# KiCad board Rogelio Pineda 2;12 AM-AMLDC-2044B.kicad_pcb (continued)
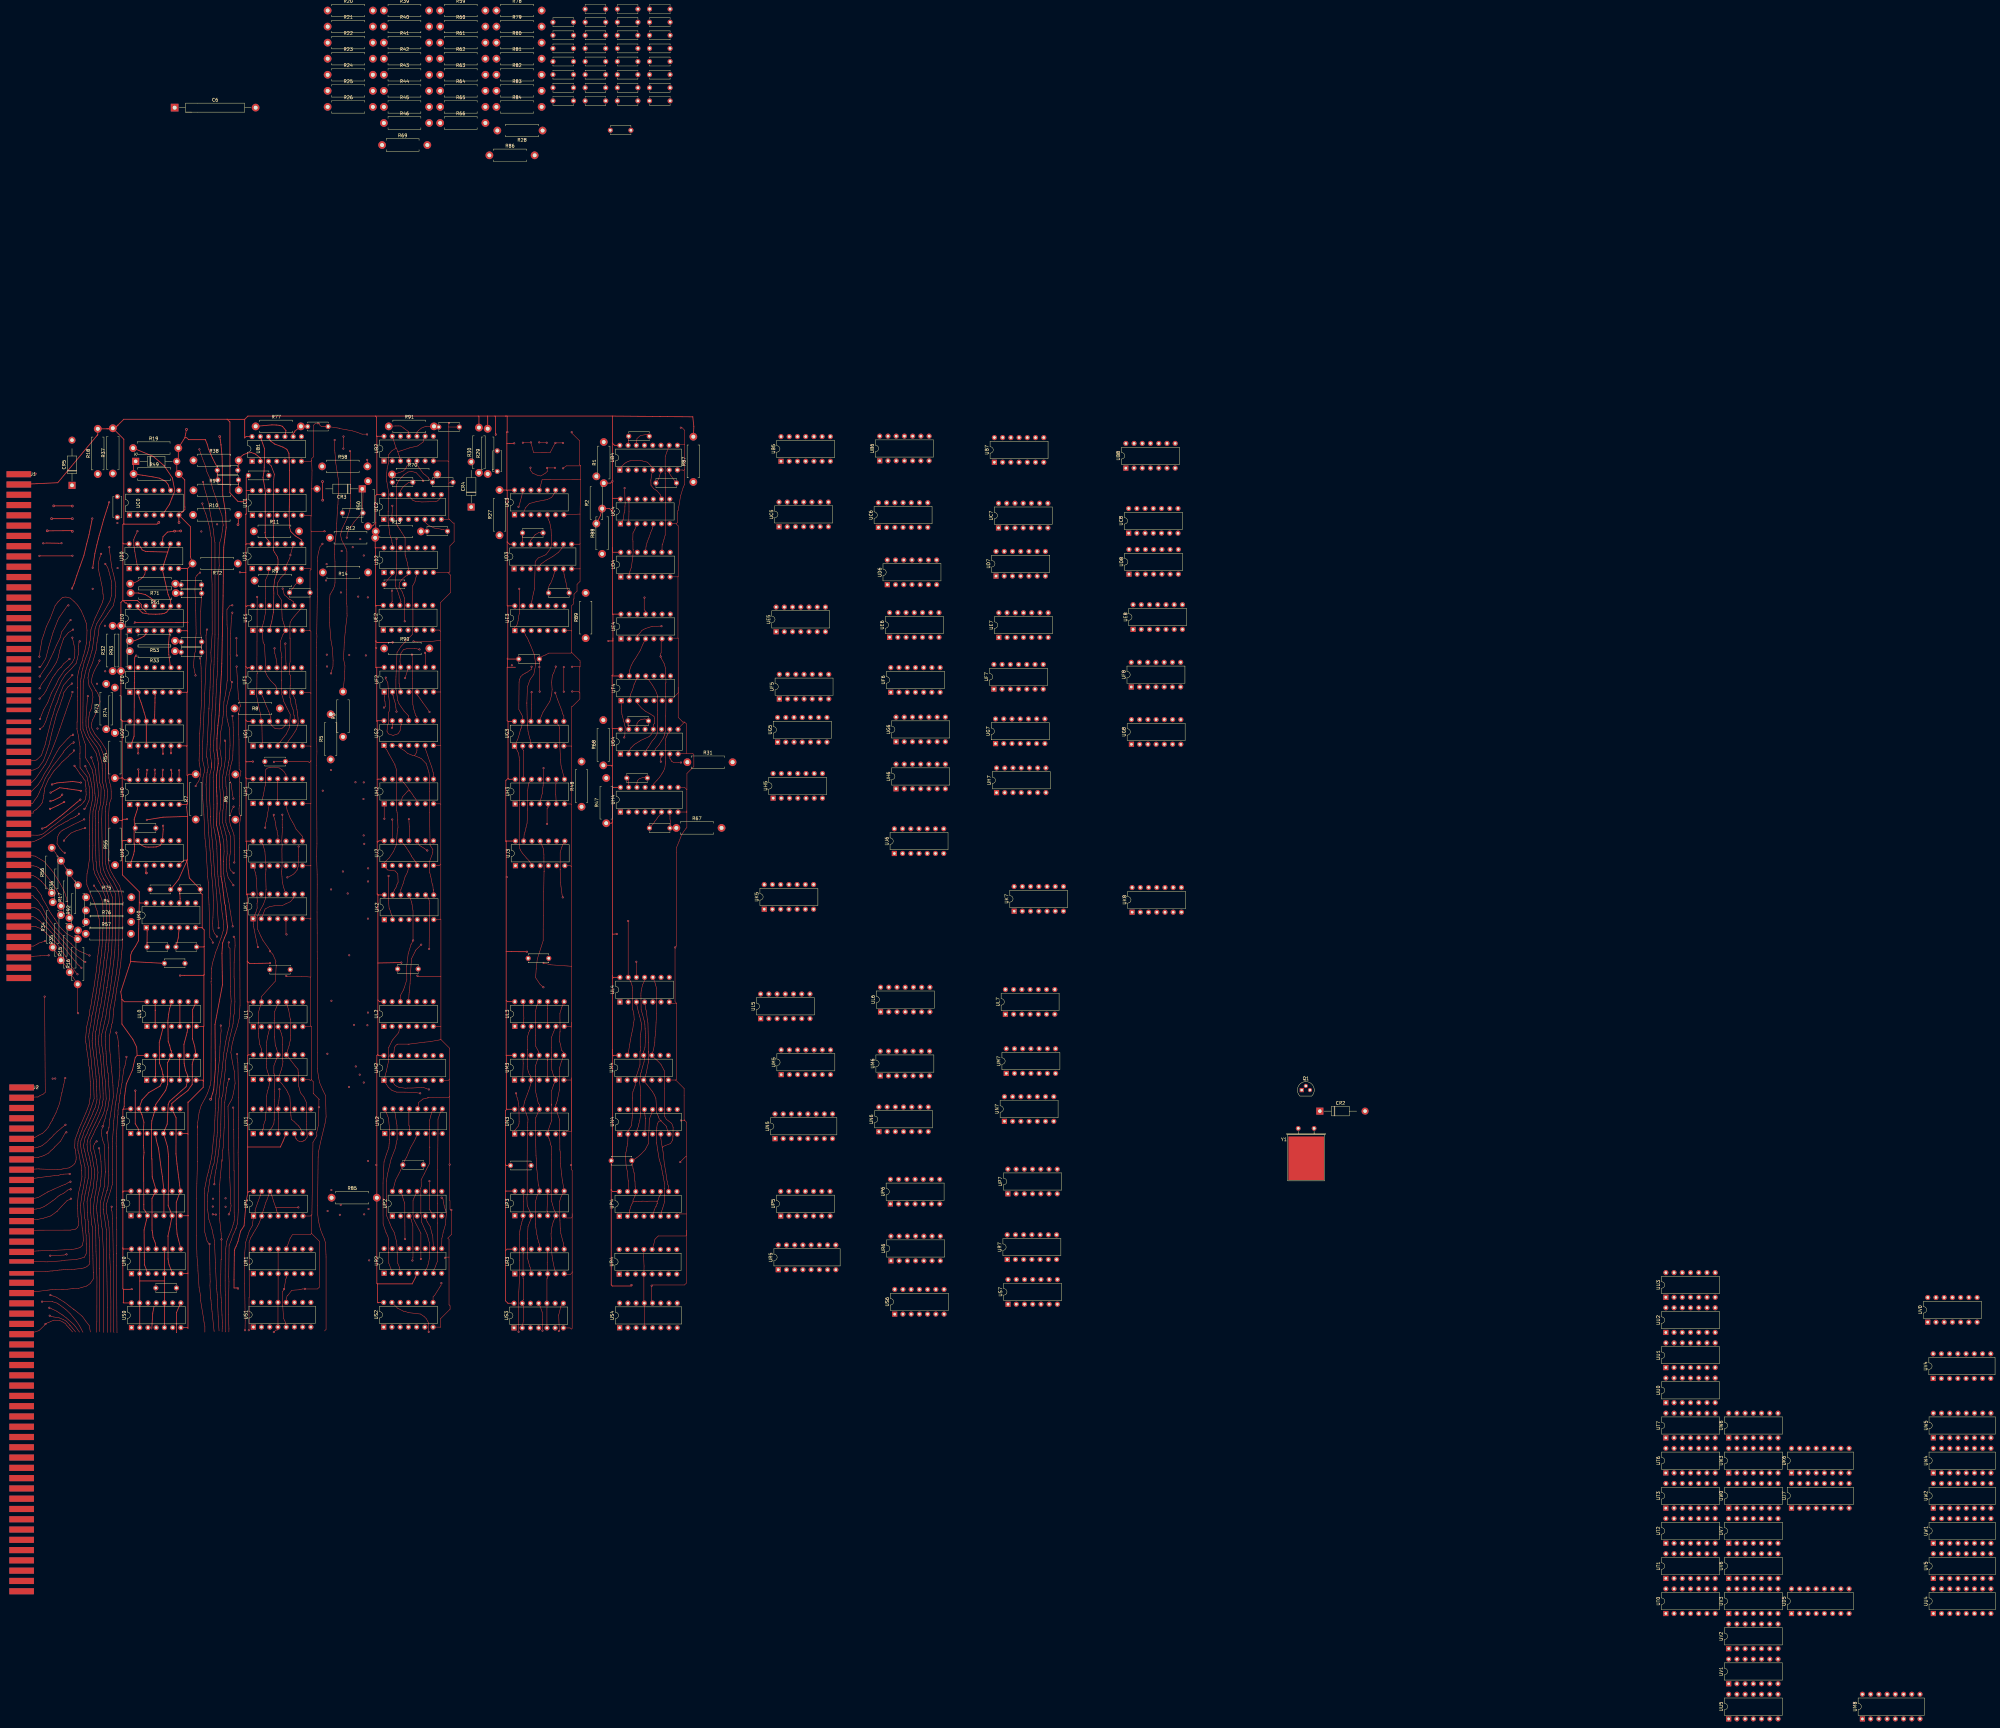
[diagram p0: board, top side]
## Routing (per net, layer and track width the routed paths; a pad name or vN(x,y) marks a point on that pad's centre or on a via; arc(x,y) is an arc through that point) (continued)
  Top w0.25: 127.64,265.18 126.76,265.18 UJ0.7 ; 127.64,265.18 128.42,259.67 C72.2 131.78,255.26 132.39,254.66 132.39,244.27 132.31,244.35 ; 127.64,265.18 127.87,265.41 ; 127.7,300.53 127.52,300.36 127.4,300.48 UG0.7 ; 127.7,300.53 127.7,316.99 ; 127.7,300.53 127.7,291.48 127.87,291.3 ; 132.31,244.35 UK0.7 ; 132.31,244.35 133,243.65 133,238.59 ; 132.82,196.94 132.51,197.25 UM0.7 ; 132.82,196.94 132.82,213.86 ; 132.82,196.94 132.71,196.83 132.71,195.07 128.1,190.47 127.99,190.47 127.99,180.6 ; 127.03,395.64 v2(127.53,398.19) 127.58,398.24 ; 127.03,395.64 R19.2 125,388.81 CR1.2 124.53,385.06 R49.2 126.98,382.61 126.98,374.29 127.03,374.24 127.03,373.44 126.51,372.92 ; 127.03,395.64 127.58,395.64 128.18,395.04 133.28,395.04 133.33,395.09 133.93,393.64 134.33,392.14 135.53,389.39 136.73,387.04 137.03,386.74 C45.1 137.03,382.79 C31.1 ; 127.85,355.23 UD0.7 ; 127.85,355.23 127.85,338.68 ; 127.85,355.23 R72.2 128.73,358.84 128.73,368.2 UC0.7 ; 127.74,282.58 127.87,282.71 127.87,291.3 ; 127.74,282.58 127.58,281.52 127.87,278.69 ; 127.74,282.58 127.55,282.38 UH0.7 ; v2(125.23,369.44) 125.18,369.5 UC0.7 ; 111.33,338.34 111.56,338.57 v1(111.6,338.61) 127.96,338.57 127.85,338.68 ; 127.87,265.41 125.1,259.26 C71.2 ; 127.87,265.41 127.87,278.69 ; 127.99,155.52 127.99,137.67 ; 127.99,155.52 128.13,155.38 UP0.7 ; 127.99,155.52 127.99,180.6 ; 127.99,137.67 127.83,137.51 UR0.7 ; 127.99,137.67 127.99,120.63 127.78,120.84 US0.7 ; UE0.7 127.78,336.04 127.87,335.95 ; 127.87,291.3 128.28,291.71 R7.2 ; 133,238.59 132.8,238.39 130.63,238.39 ; 133,238.59 133,229.82 132.91,229.73 ; 127.7,316.99 127.87,317.16 127.87,335.95 ; 127.7,316.99 127.64,317.04 UF0.7 ; 126.51,372.92 126.13,372.54 ; 126.51,372.92 126.35,372.92 UC0.7 ; 127.99,180.6 127.8,180.78 UN0.7 ; 127.87,335.95 127.87,338.66 127.85,338.68 ; 132.91,229.73 132.79,229.62 125.61,229.62 v1(125.54,229.55) 125.48,229.62 125.4,229.62 125.38,229.63 ; 132.91,229.73 132.91,213.95 132.82,213.86 ; 127.87,278.69 120.3,278.46 v1(115.28,277.64) 115.35,277.67 ; 132.82,213.86 UL0.7
(no net): length 3520.3
  Top w0: 81.24,359.14 81.25,359.16 v1(82.12,359.16) ; 92.28,359.16 v1(92.32,359.2)
  Top w0.15: 134.47,312.16 133.96,301.87 133.89,300.84 133.73,297.18 133.86,296.81 134.02,296.07 134.23,293.86 133.88,292.21 ; 139.92,194.73 140.29,196.55 v1(140.67,197.61) ; 104.46,156.89 104.43,156.92 v1(104.43,158.17) ; v1(89.94,267.46) 89.3,267.83 88.9,268.31 88.43,268.84 87.54,270.31 87.65,271.97 87.8,272.48 88.01,273.07 88.36,273.57 88.51,273.83 89.12,274.34 89.4,274.5 92.67,276.23 94.48,277.07 v1(95.94,277.79) ; v1(172.18,322.87) 172.39,323.86 172.76,324.96 172.79,326.95 172.59,330.57 172.13,333.16 171.7,338.44 171.7,341.87 171.6,343.31 171.84,347.13 172.78,348.77 173.27,349.92 173.39,350.86 173.39,355.97 173.38,357.33 173.26,359.59 173.22,361.16 173.52,364.31 173.8,366.42 173.87,367.56 173.93,369.26 174.15,373.94 174.29,374.98 174.39,377.79 174.54,379.16 174.37,382.97 173.61,387.89 173.38,390.94 173.29,391.84 v1(173.29,394.92) ; v1(102.99,181.05) 103.12,180.12 103.47,176.28 ; v1(102.99,181.05) 103.23,181.29 ; v1(102.99,181.05) 102.79,180.85 ; 138.84,368.83 138.63,367.22 138.35,365.12 137.82,363.32 137.56,358.43 137.64,356.25 137.51,354.61 137.4,334.97 137.29,333.74 137.2,327.37 137.2,326.48 137.12,323.58 136.9,321 136.82,319.46 136.63,315.29 136.59,313.39 136.41,311.54 136.39,310.11 135.97,302.13 135.87,300.74 135.93,298.94 136.31,296.62 136.21,293.74 135.96,292.37 135.75,290.7 135.81,289.41 135.97,282.43 135.97,281.26 135.93,278.52 135.92,277.66 135.97,275.24 136.39,273.1 136.92,269.53 136.91,268.74 137.12,261.83 137.26,260.1 137.52,257.25 137.86,254.98 138.55,248.79 138.63,248.32 139.02,245.44 138.91,243.57 138.25,241.33 137.65,239.72 136.96,237.78 136.45,236.61 136.25,235.6 135.87,234.51 135.49,233.16 135.28,231.55 ; v1(82.15,324.86) 82.47,324.86 84.07,327.46 84.97,330.91 86.35,335.62 87.76,339.19 88.17,340.03 90.7,343.73 90.93,343.73 v1(91.07,343.86) ; 107.05,193.12 107.5,195.84 107.66,196.62 107.66,197.29 108.15,200.23 108.21,200.82 108.55,201.77 108.7,202.47 v1(108.99,204.45) ; v1(82.28,308.8) 83.43,311.67 84.7,313.87 85.82,316.82 87.25,319.36 88.05,321.11 89.85,323.81 90.52,324.38 90.94,324.73 92.27,326.26 92.99,327.71 93.07,330.15 92.77,331.78 v1(92.28,333.9) ; 91.55,121.52 91.55,121.57 ; 91.55,121.57 92.25,120.73 93.28,119.5 ; 91.55,121.57 90.45,122.8 89.51,123.33 88.19,123.86 86.57,124.12 85.92,124.27 v1(85.3,124.52) ; 103.23,181.29 103.28,181.34 ; 103.23,181.29 103.23,181.36 103.61,182.8 ; v1(158.66,259.87) 159.8,260.38 160.64,260.92 161.05,261.34 161.68,262.13 162.02,263.31 162.03,265.08 162.08,266.27 v1(162.16,269.42) ; v1(141.67,343.89) 140.83,343.71 140.01,342.51 140.05,337.82 140.14,336.71 140.14,320.58 140.09,320.53 139.61,316.61 139.09,314.06 138.99,311.17 138.78,309.3 138.48,306.86 138.1,304.81 137.84,299.71 138.27,296.6 138.27,294.28 137.84,292.79 137.74,287.93 137.87,286.98 138.14,282.28 137.78,279.59 137.66,276.63 138.04,275.12 138.4,273.54 139.03,271.01 139.15,267.85 138.94,264.67 ; v1(142,284.19) 141.76,285.38 141.31,288.77 140.78,289.98 140.66,291.54 140.94,292.96 141.22,294.39 141.62,295.91 141.83,297.43 141.89,299.07 142.04,303.62 141.95,306.22 141.9,307.8 v1(141.74,309.73) ; v1(140.6,155.82) 141.09,156.94 141.29,158.43 141.2,159.2 140.9,167.13 140.59,175.71 140.34,189.2 141.38,191.1 141.71,191.81 142.03,193.25 142.54,196.27 142.27,200.07 141.72,202.69 141.22,205.83 141.4,206.92 141.68,208.71 141.9,209.42 142.1,210.28 142.52,211.65 143.21,213.81 143.81,216.39 144.06,220.42 143.85,269.06 143.81,269.1 143.95,271.93 143.86,275.95 144.3,278.77 143.8,279.6 143.75,281.04 143.86,282.12 143.85,282.07 143.9,284.96 143.87,289.46 143.9,290.51 144.09,291.21 144.34,292.65 143.78,293.21 143.78,294.33 143.77,295.2 143.73,302.36 143.67,303.97 143.67,308.81 143.6,310.36 144.06,312.59 144.23,312.77 143.58,315.13 143.3,319.82 143.17,322.06 v1(143.01,324.97) ; v1(231.4,394.1) 231.5,394.2 v1(233.87,394.2) 234.71,391.03 239.8,391.02 241.39,394 v1(241.44,394.05) 243.76,394.05 v1(243.81,394) ; 93.92,318.26 93.92,321.7 94.15,323.27 94.76,325.33 95.34,326.76 95.6,328.06 95.81,328.56 96.07,329.66 96.2,330.12 96.64,332.21 96.71,332.54 96.81,336.13 96.58,338.36 96.29,339.14 95.78,340.49 94.97,342.29 93.94,343.9 92.81,345.08 ; v1(85.45,143.04) 89.7,143.24 v1(90.48,143.46) ; 105.17,119.36 105.07,119.47 104.91,141.35 104.91,143.45 104.75,153.07 104.65,154.61 104.52,156.83 ; v1(141.67,341.62) 141.38,339.8 141.16,335.19 141.09,333.5 141,328.7 141.09,327.55 141.18,320.58 v1(141.6,320.16) 141.29,318.2 140.89,317.02 139.98,312.96 139.83,311 140.09,308.69 140.86,305.56 140.98,300.68 140.75,296.44 140.5,295.27 140.48,295.24 140.4,294.4 139.63,290.69 139.73,287.84 139.99,287.22 139.99,283.31 140,282.72 ; v1(94.56,332.76) 94.34,332.55 94.22,331.18 94.12,330.65 94.11,328.63 93.77,327.18 93.5,326.04 91.99,324.31 91.52,323.81 90.12,322.42 88.91,320.55 88.28,319.07 87.47,317.35 86.89,316.03 86.38,314.65 85.63,312.7 84.98,310.73 84.47,309.27 84.06,307.97 83.32,306.51 v1(82.28,305.67) ; v1(132.44,375.32) 132.75,373.93 133.52,372.1 134.33,369.22 134.7,367.84 134.89,366.1 135.16,364.8 135.27,354.09 135.44,350.42 135.47,335.18 135.07,329.34 135.16,326.68 134.92,323.94 134.79,318.44 134.74,317.55 134.45,311.86 ; 138.87,368.51 138.47,371.67 137.8,373.49 136.98,376.05 135.81,379.29 134.8,382.94 133.77,385.26 133.33,387.02 132.62,388.83 131.88,390.85 v1(131.51,392.03) ; v1(169.51,362.88) 168.78,362.02 168.24,360.15 168.04,358.76 168.04,357.57 167.89,348.9 167.92,346.49 167.75,335.27 167.81,334.36 167.7,332.32 167.72,330.91 167.73,325.16 167.62,320.77 167.72,302.89 167.75,301.87 167.8,298.72 167.7,294.38 167.81,270.23 167.72,266.43 167.87,260.73 167.89,257.65 167.84,249.14 167.89,242.69 167.89,236.86 167.92,234.95 168.06,205.66 167.93,200.78 168.29,198.21 168.63,196.51 169.74,193.93 170.47,192.5 170.64,185.89 170.31,183.9 169.83,181.89 169.2,179.3 168.9,177.96 168.32,175.24 168.18,173.48 168.01,158.46 168.07,155.64 168.26,153.86 168.88,151.22 169.43,149.74 170.1,148.23 170.45,147.01 170.6,143.4 170.63,142.65 170.63,120.29 170.14,119.8 ; 140.04,283.1 139.91,281.76 139.76,280.94 139.68,277.47 139.68,276.88 139.96,275.98 140.53,273.99 140.74,273.79 141.1,272.5 141.12,267.87 140.97,266.92 140.71,264.99 140.74,264.09 140.74,263.91 140.94,262.57 141.1,262.11 v1(142.07,261.26) ; 106.09,119.31 106.07,119.33 105.94,139.9 105.94,143.64 105.96,143.66 105.96,146.26 106.01,146.31 106.01,151.09 105.99,151.1 105.99,154.68 105.96,154.72 105.92,157.43 105.88,158.13 105.88,160.28 105.88,160.93 105.84,176.9 105.81,177.82 105.94,180 105.97,180.92 106.24,185.8 106.4,186.71 106.37,187.95 106.48,188.69 106.64,189.96 106.87,190.96 106.93,192.5 107.08,193.26 ; 101.03,155.42 101.34,152.18 101.5,151.31 101.83,145.08 101.92,119.34 ; 236.88,383.82 235.78,384.09 234.41,384.7 233.75,385.58 v1(233.75,386.39) ; 101.8,157.23 101.82,158.71 102.38,161.18 103.04,163.36 ; v1(133.85,336.4) 133.71,335.57 133.56,334.56 133.63,327.61 133.17,316.61 132.93,310.82 132.78,307.08 132.55,301.88 132.49,299.58 132.41,296.53 133.2,293.03 132.62,290.8 132.49,285.11 132.91,279.24 133.23,272 133.52,269.32 134.07,260.05 134.27,258.21 134.4,253.72 134.49,251.4 134.75,241.25 135.27,240.64 v1(135.65,239.73) ; v1(131.71,327.51) 131.95,325.85 132.04,324.53 132.08,320.34 132.16,314.43 131.89,309.03 131.85,308.37 131.81,307.66 131.62,304.31 131.6,304.17 131.56,300.62 131.51,298.08 131.41,296.07 131.48,295.1 131.84,293.08 131.95,291.58 131.3,289.52 130.62,288.66 v1(130.37,288.07) ; 130.75,353.14 130.32,352.49 130.15,348.57 130.32,344.53 130.4,342.17 130.5,335.16 130.35,333.21 130.23,329.61 129.96,328.51 129.7,325.39 129.78,324.74 130.1,323.08 v1(130.3,322.23) ; 130.75,353.14 131.6,353.99 v1(131.71,353.99) ; 130.75,353.14 130.88,353.33 ; v1(135.65,155.82) 136.52,155.82 v1(136.59,155.75) ; v1(142.27,264.47) 142.42,266.79 142.21,272.9 141.81,274.19 141.14,275.89 140.71,277.7 140.87,278.62 141.6,280.89 v1(142.07,281.71) ; 92.62,126.56 93.91,125.55 95.43,124.25 96.37,122.92 97.49,121.46 97.85,119.5 ; v1(100.52,176.21) 100.75,175.01 101.13,172.22 101.23,169.2 101.17,167.45 101.07,166.29 100.9,164.56 100.08,160.96 99.81,158.33 99.76,157.52 99.88,156.43 99.89,156.15 99.99,155.36 100.11,154.05 100.29,152.29 100.33,151.39 100.54,148.6 100.6,147.78 100.66,139.09 100.74,139.01 100.74,119.7 100.78,119.66 ; 102.46,169.04 102.15,164.33 101.71,162.47 100.9,159.43 100.87,156.48 101.05,155.27 ; 142.76,151.28 142.9,151.74 143.26,152.94 143.37,154.23 143.54,157.42 143.52,171.46 143.47,174.93 143.59,179.43 143.56,182.36 143.61,185 143.63,185.84 143.63,191.77 143.6,191.81 143.4,202.73 143.16,203.99 v1(143.14,205.3) ; v1(82.11,328.05) 82.37,330.35 82.52,331 82.93,333.37 83.41,334.71 84.25,337.29 85.41,339.71 86.96,343.77 87.87,344.97 ; 135.29,295.26 134.93,297.47 134.8,299.37 134.93,300.82 135.07,304.04 135.18,305.73 135.31,309.77 135.43,311.63 135.71,316.54 135.74,318.92 136.04,325.54 136.08,327.89 136.27,331.5 136.33,334.81 136.33,363.29 136.18,363.82 135.78,367.43 135.03,371.47 134.53,374.39 134.54,374.74 133.73,377.8 133,380.23 132.79,381.42 v1(132.64,382) ; 135.29,295.26 135.3,293.87 134.76,291.72 134.7,283.69 134.97,278.51 ; 135.29,295.26 135.29,293.72 ; 142.13,181.97 142.2,169.27 142.25,169.23 142.25,156.3 142.31,155.11 142.27,154.07 142.18,153.4 141.95,152.68 141.49,151.16 140.19,148.19 139.95,147.47 139.73,145.83 139.5,143.83 139.46,135.29 139.48,132.03 139.55,130.91 139.55,119.59 139.46,119.5 ; 142.13,181.97 142.08,185.23 v1(141.94,188.78) ; 142.13,181.97 142.11,181.94 ; 92.79,126.43 91.67,127.25 89.89,128.67 88.53,129.49 87.34,130.24 v1(85.51,130.88) ; 94.5,119.43 93.32,121.08 92.74,121.79 91.14,123.22 90.41,123.85 89.56,124.49 89.09,124.86 88.3,125.34 87.41,125.94 85.94,126.63 v1(85.16,126.97) ; v1(103.69,361.82) 103.77,360.76 104.34,356.38 104.49,355.43 104.97,353.59 105.36,352 105.72,349.75 105.63,346.81 104.92,343.74 103.82,342.21 103.21,341.28 102.66,340.47 101.42,338.79 101.3,338.59 100.6,337.43 100.27,334.68 99.9,332.45 99.61,329.99 99.37,329.15 98.54,326.18 97.58,323.95 97.1,321.48 97.44,318.99 98.32,317.52 98.65,315.56 98.16,312.05 97.57,310.69 97.4,309.4 97.28,308.59 97.28,306.52 97.85,304.62 99.28,302.42 99.89,301.75 100.91,300.28 101.87,297.86 102.46,294.7 102.5,293.5 102.56,289.64 103.19,286.35 102.94,283.17 102.73,282.27 ; v1(82.15,315.06) 83.46,316.37 84.25,317.68 85.29,319.82 86.19,321.56 86.91,322.54 87.89,323.93 88.79,324.8 88.82,324.8 89.66,325.9 v1(91.4,327.34) ; 137.58,119.83 137.32,124.18 137.09,129.63 137.01,131.11 136.84,132.79 136.76,133.93 136.52,139.16 136.44,141.03 136.21,146.57 136.12,147.73 136,148.53 135.77,149.43 135.41,151.24 134.46,154.23 134.03,157.44 134.04,159.78 134.04,161.72 134.21,162.83 134.74,166.49 135.18,168.54 135.61,170.52 136.03,171.51 136.29,173.49 136.55,175.11 136.96,179.83 137.04,181.11 137.27,187.39 137.42,188.77 137.53,191.54 137.64,192.08 137.78,195.12 138.04,196.88 138.48,199.85 138.59,201.18 138.99,204.66 139.08,205.82 139.62,209.11 140.19,211.85 140.72,213.85 140.83,214.65 141.08,217.87 141.32,221.66 141.14,224.59 141.08,226.12 140.96,237.98 140.6,238.34 v1(140.6,239.79) ; 87.8,344.87 89.17,346.26 89.62,346.38 90.29,346.44 91.65,346.11 92.85,345.05 ; 134.96,278.74 134.97,277.52 135.32,272.76 135.45,271.46 135.74,267.88 135.85,266.27 136.24,260.63 136.83,254.84 137.32,246.26 v1(137.46,244.27) ; 99.61,317.48 98.08,320.22 98.5,322.24 99.13,323.83 99.87,325.2 100.35,325.97 v1(100.66,326.82) ; 236.95,383.85 238.32,384.68 238.91,385.19 238.91,386.25 v1(238.84,386.32) 241.29,386.32 v1(241.31,386.34) ; v1(139.4,302.11) 139.59,301.91 139.59,296.88 139.22,294.03 138.66,290.81 138.71,287.67 139.07,284.66 139.03,283.72 139.03,281.98 138.77,280.6 138.66,276.89 139.16,275.13 139.75,272.91 139.91,271.62 140.03,271.12 140.05,269.56 140.06,267.89 140.1,267.16 139.89,265.43 139.82,263.71 139.99,261.62 140.23,260.53 140.4,259.8 v1(142,257.45) ; 140.61,119.52 140.64,120.44 140.47,124.89 140.64,135.14 140.58,136.57 140.69,146.14 141.35,147.87 141.89,149.45 142.23,150.11 142.85,151.56 ; 103.57,182.45 103.84,185.14 104.23,187.68 104.93,192.07 104.9,193.08 104.83,195.6 104.77,196.56 104.44,199.96 104.32,201.06 103.96,205.21 103.86,206.29 103.76,210.97 104.01,212.13 104.01,212.33 104.36,213.77 104.33,214.36 104.73,215.1 104.94,217.62 105.04,219.21 105.48,221.84 105.52,222.2 105.99,225.46 106.12,226.31 106.61,229 106.81,230.5 107.25,233.33 107.25,233.54 107.45,236.06 107.65,237.76 107.75,239.62 107.74,240.79 107.83,251.8 107.85,252.27 107.54,255.12 107.21,256.1 106.86,257.29 105.2,259.94 103.96,262.2 103.47,264.33 103.59,267.72 103.54,268.53 103.54,278.04 103.49,278.97 103.7,282.56 104.27,284.12 104.27,286.38 104.18,288 103.86,289.06 103.57,290.48 103.56,290.8 103.44,293.54 103.47,293.58 103.32,295.49 103.32,296.12 102.81,298.86 102.55,299.54 101.08,301.89 99.81,303.43 99.31,304 98.25,306.02 98.14,307.18 98.54,308.53 99.05,309.5 99.39,310.29 100.36,312.75 100.84,314.17 100.58,315.51 100.13,316.76 99.48,317.71 ; 139.95,195.02 139.66,192.66 139.33,190.34 139.37,190.3 139.26,185.97 139.17,182.6 138.85,176.42 138.72,175.54 138.49,172.11 ; v1(96.24,275.09) 96.03,275.09 95.03,274.77 94.4,274.54 93.49,274.31 93.18,274.14 91.86,273.55 91.25,273 90.58,272.33 89.69,271.29 v1(89.69,271.22) ; v1(82.92,128.85) 83.07,129 86.22,128.85 ; v1(236.44,394.2) 238.67,394.2 v1(238.77,394.1) ; v1(105.87,211.93) 106.32,210.32 106.62,207.66 ; 130.97,183.19 130.99,180.41 130.95,176.46 130.95,172.09 130.91,172.06 130.73,165.39 130.63,160.57 130.59,149.18 130.77,142.71 131.03,140.13 131.07,138.36 131.41,133.32 131.84,130.8 131.9,129.11 132.75,123.96 132.96,122.48 133.21,121.28 133.21,119.44 ; 103.45,176.49 103.52,168.93 103.55,167.88 103.3,164.39 102.96,163.06 ; 102.46,168.78 102.33,172.69 102.11,177.47 101.58,178.88 101.24,180.79 101.38,181.9 v1(101.64,182.96) 101.78,183.1 102.07,184.41 102.41,185.39 102.96,187.79 103.18,188.16 103.65,191.11 103.7,191.47 103.66,193.64 103.65,194.16 103.45,196.86 103.42,197.88 103.33,199.39 103.26,199.57 102.94,201.98 102.87,202.98 102.7,205.42 102.69,205.99 102.49,208.26 102.42,209.36 102.44,210.77 102.5,211.83 103.06,213.95 103.53,215.25 103.92,219.22 104,219.73 104.69,223.15 104.86,224.08 105.11,225.82 105.83,229.91 106.22,232.99 106.37,234.22 106.55,237.73 106.62,238.93 106.79,251.92 106.83,252.43 106.57,255.42 104.85,258.85 103.98,260.08 102.8,262.73 102.61,264.01 102.53,264.86 102.51,280.08 102.49,280.18 102.6,281.67 102.76,282.42 ; v1(82.18,318.24) 82.77,319.52 84.05,321.23 84.62,322.17 85.71,323.63 87.31,326.19 87.94,327.79 88.35,329.87 88.67,330.89 89.5,333.41 89.65,333.78 90.17,334.36 91.03,335.44 v1(92.5,336.38) ; v1(91.74,339.32) 90.69,338.15 90.08,337.19 89,335.69 88.51,333.84 87.31,331.41 86.48,329.47 85.62,327.63 84.55,325.48 82.19,321.93 v1(82.19,321.91) ; 135.3,231.77 135.18,230.54 135.14,228.63 ; 138.53,119.56 138.55,120.49 138.61,121.16 138.61,122.27 138.49,124.73 138.33,128.55 138.37,128.58 138.2,130.23 138.03,133.84 138.12,137.14 138.2,141.81 138.27,141.88 138.25,141.9 138.25,147.99 v1(138.33,148.07) 138.22,149.94 138.08,151.27 137.87,153.4 137.72,154.43 137.68,156.18 137.66,156.2 137.66,162.98 137.8,165.09 137.94,167.15 138.49,172.71 138.49,172.51 ; v1(143.07,328.38) 142.94,328.51 v1(142.94,333.73) ; 103.06,119.34 103.1,127.2 102.79,147.98 102.75,148.47 102.75,151.17 102.04,155.94 101.8,157.48 ; v1(141.8,244.74) 141.04,249.43 140.57,252.47 139.71,256.85 139.21,259.38 139.03,261.03 138.93,263.75 138.95,264.93 ; v1(175.97,392.28) 175.97,395.98 v1(176,396.02) ; 130.98,182.43 130.99,184.24 131.45,187.36 132.06,189.42 133.51,192.1 134.07,193.31 134.82,195.53 135.1,197.12 135.18,226.68 135.1,227.66 135.14,227.63 135.18,228.79 ; 99.65,119.4 99.85,122.65 99.87,136.16 99.59,144.27 99.56,146.29 99.5,150.9 99.42,151.8 99.14,154.09 98.99,154.57 98.78,157.58 98.83,158.14 99.16,161.08 99.6,163.34 99.73,165.14 99.87,165.88 100.21,168.76 99.68,172.63 99.42,173.85 98.73,176.72 99.04,177.41 99.04,177.61 v1(99.78,178.35) ; v1(244.03,324.81) v1(244.03,317.22) ; 133.88,292.33 133.81,290.89 133.57,288.52 133.88,281.77 134.16,277.46 134.36,273.79 134.81,268.21 135.16,263.58 135.26,261.22 135.63,257.23 135.85,252.58 135.71,247.56 135.6,245.68 135.71,243.72 136.16,242.56 v1(136.92,241.6) ; v1(142.14,241.53) 142.47,241.07 142.54,238.94 142.24,233.69 142.21,229.14 142.27,228.51 142.49,221.46 142.33,219.08 142.28,217.9 142.06,216.85 141.91,214.62 140.69,209.49 140.18,206.38 139.92,205.38 139.64,203.19 139.52,200.54 139.15,197.2 138.72,192.54 138.27,191.5 138.13,183.7 138.12,181.7 138.01,180.21 137.74,178.29 137.65,176.74 137.27,173.72 136.72,170.04 136.42,168.76 136.26,167.21 136.1,165.82 136.12,165.52 v1(136.12,165.11) ; 104.16,119.4 104.19,128.74 104.04,138.07 103.87,142.32 103.85,142.63 103.85,143.47 103.87,144.57 103.62,151.62 103.39,153.51 103.18,154.89 102.92,156.09 102.74,158.18 102.92,159.23 103.42,160.99 104.1,163.13 104.61,165 104.64,165.75 104.66,168.17 104.63,169.7 104.73,176.03 104.69,176.85 104.65,178.36 104.72,179.13 104.9,181.78 104.92,182.12 105.01,183.9 105.1,184.86 105.23,186.03 105.33,186.75 105.53,189.78 105.78,190.92 106.29,194.66 106.49,195.52 106.71,197.43 106.77,198.54 106.97,200.24 106.95,201.26 106.8,202.99 106.74,204.02 106.61,207.96 ; 95.55,119.4 94.54,121.35 93.6,122.75 91.7,125.07 90.26,126.45 88.7,127.63 88.08,128.07 87.59,128.4 86.1,128.86 ; v1(96,281.03) 96.23,281.03 96.59,281.85 97.4,283.5 97.59,284.63 97.59,286.17 97.47,287.9 97.02,289.87 96.81,290.99 94.75,293.65 94.66,293.75 94.66,296.54 94.61,296.58 94.61,298.21 94.66,298.26 94.66,300.3 94.41,301.64 94.19,303.5 93.81,305.07 93.68,305.75 93.73,305.79 93.73,307.75 93.77,307.96 93.88,314.41 93.79,315.81 93.92,318.58 ; v1(138.13,214.12) 138.23,212.43 138.16,211.81 137.98,209.28 137.87,207.53 137.78,204.16 137.65,203.3 137.43,201.15 137.32,199.97 136.88,194.01 136.63,192.84 136.45,189.98 136.41,188.41 136.36,186.26 136.28,184.91 136.01,180.01 135.83,178.84 135.43,174.49 135.21,172.97 134.26,168.82 133.91,167.65 133.17,163.88 133.04,162.31 133.17,150.36 133.71,148.28 133.94,147.37 v1(134.65,146.66) 134.79,137.18 134.84,135.15 134.77,133.77 134.96,129.98 135.1,129.33 135.17,128.05 135.41,125.88 136.03,119.96 136.07,119.61
  Top w0.2: 83.24,362.97 v1(83.3,363.03) 84.31,363.12 ; 88.97,363.05 88.96,363.05 v1(88.94,363.07) 88.93,363.05 87.98,363.05 ; v1(82.12,359.16) 92.28,359.16
  Top w0.25: 95.06,289.17 94.9,289.17 v1(94.88,289.15) 92.42,289.48 87.54,289.05 85.89,288.54 v1(86.01,288.54) 86.01,288.66 85.99,288.64 ; v1(92.19,349.08) 92.86,350.64 93.64,353.04 94.6,355.76 95.83,359.21 96.7,362.81 97.44,365.68 v1(98.44,370.7) ; 92.38,370.59 92.33,370.64 v2(92.28,370.64) v2(85.88,370.64) 86.03,370.64 ; 169.58,376.39 v2(169.58,376.34) v2(169.53,382.09) 169.58,382.04 ; v2(137.78,395.99) 137.93,395.09 138.18,393.49 ; v2(134.98,191.34) 135.63,193.24 135.93,194.39 136.43,200.59 136.43,203.29 136.33,214.44 138.63,226.69 138.48,236.44 138.68,239.59 139.28,241.29 139.93,242.74 140.18,244.54 139.83,247.84 139.53,251.09 139.28,251.94 138.53,258.29 138.18,260.14 138.03,268.54 137.98,269.84 137.63,272.49 136.83,276.04 136.98,282.59 136.93,284.99 136.78,287.59 136.83,291.49 137.33,294.99 137.28,296.49 136.93,299.19 136.93,302.74 137.23,306.74 137.58,309.74 138.33,323.44 138.43,325.89 138.83,346.79 138.93,355.89 139.03,361.84 139.78,367.84 139.63,372.39 138.73,377.89 138.53,389.74 138.18,393.49 ; 138.18,393.49 138.18,393.34 ; 85.45,281.01 85.4,281.01 v1(85.4,281.05) 85.5,281.01 87.86,282.13 v1(89.77,283.15) 89.58,282.98 ; 84.31,363.12 87.98,363.05 ; v1(89.15,285.42) 88.52,284.68 86.32,283.58 v1(85.5,283.4) ; v1(85.55,286.03) 88.4,287.56 90.74,287.23 94.88,286.66 v1(94.88,286.6) 94.94,286.6 94.97,286.57 ; v2(92.28,366.74) 92.08,366.94 v2(84.53,366.89) 84.48,366.94 ; v1(82.97,274.95) 84.2,275.41 89.33,279.34 93.7,283.05 v1(94.75,283.89) 94.79,283.79 ; v2(86.53,374.59) 92.23,374.59 v2(92.28,374.54) 92.33,374.49 ; v1(103.64,375.69) 103.12,374.04 101.94,370.35 100.92,366.58 100.57,365.52 100.31,364.41 99.85,362.55 99.24,359.89 v1(98.57,355.47)
  vias: v1(80.97,384.53) v1(81.32,195.05) v1(86.21,197.73) v1(87,197.76) v1(98.56,348.98) v1(99.91,319.67) v1(100.05,305.83) v1(102.34,337.57) v1(102.42,323.51) v1(106.2,369.3) v1(106.25,355.39) v1(132.11,366.69) v1(135.72,160.64) v1(135.65,158.23) v1(136.99,368.9) v1(139.6,160.77) v1(139.6,158.16) v1(169.61,286.64) v1(170.62,351.57) v1(170.79,356.6) v1(170.86,328.64) v1(170.93,325) v1(171.03,205.4) v1(171.1,156.86) v1(172.14,293.02) v1(172.18,256.15) v1(172.28,221.78) v1(172.26,163.33) v1(174.88,155.67) v1(175.21,347.86) v1(175.14,158.73) v1(175.45,360.65) v1(175.82,261.69) v1(177.31,254.9) v1(177.71,195.14) v1(177.78,328.54) v1(177.78,235.82) v1(178.86,361.83) v1(179.27,214.31) v1(179.71,289.24) v1(179.81,201.48) v1(180.55,346.57) v1(181.02,198.95) v1(181.19,364.33) v1(182.17,284.07) v1(182.27,359.27) v1(182.27,289.21) v1(182.24,272.83) v1(182.27,196.52) v1(182.41,270.23) v1(182.4,155.82) v1(182.91,328.41) v1(183.39,214.21) v1(183.52,346.34) v1(183.62,262.67) v1(183.59,258.61) v1(183.55,247.13) v1(183.55,218.13) v1(183.59,172.31) v1(183.74,157.46) v1(183.93,141.61) v1(228,325.38)
+V TERM: length 42.2
  Top w0.15: 86.27,185.3 87.29,187.3 87.77,188.58 88.35,190.1 88.66,191.63 89.05,193.41 ; J2.13 81.24,176.38 81.92,176.64 82.46,176.8 83.04,177.12 84.26,178.05 85.37,179.15 85.91,179.62 86.53,180.33 87.57,181.35 89,182.53 v1(90.17,183.48) 90.13,183.59 ; 86.32,185.43 86.12,184.91 85.56,184.02 84.89,182.76 84.12,181.81 83.12,180.87 81.9,180.27 80.61,179.5 J2.11 ; 89.05,193.29 89.63,195.88 89.9,197.21 v1(90.09,197.89) 90.09,198
B1p2: length 12.5
  Top w0.25: UB1.2 150.32,389.4 148.73,390.64 147.58,391.04 146.48,390.94 145.18,390.44 143.65,389.31 R38.2 143.65,385.86 C45.2
B1p3: length 54.5
  Top w0.2: UE1.3 153.85,338.86 154.36,341.67 154.51,347.65 154.42,349.01 154.79,351.91 155.46,353.89 UD1.4 155.8,356.61 155.79,358.17 155.6,358.53 155.62,358.81 154.79,360.13 154.36,360.93 154.36,364.33 154.4,365.25 154.44,364.76 154.44,371.35 154.37,371.42 154.37,379.53 154.39,379.54 154.47,382.82 154.67,384.4 153.69,386.93 152.86,387.66 UB1.3
B1p9: length 6.4
  Top w0.25: UB1.9 160.48,396.96 160.95,397.43 160.97,397.66 R77.2 164.88,399.14 C16.1
B1p10: length 11.9
  Top w0.25: 157.94,395.98 158.25,397.83 157.15,399.16 156.27,399.46 155.25,399.56 153.91,399.6 R77.1
B1p12: length 38.3
  Top w0.25: UD1.8 163.11,364.03 161.1,365.34 159.71,366.7 159.37,367.98 159.23,371.5 159.32,376.66 159.37,385.59 159.16,390.8 158.53,392.04 157.31,392.74 154.79,393.67 153.41,394.66 UB1.12
B1p13: length 33.9
  Top w0.25: UB1.13 151.62,392.24 151.53,386.39 151.48,385.27 151.16,383.3 151.74,380 151.97,378.2 151.85,378.08 151.85,366.44 151.76,366.36 152,364.85 152.92,363.79 UD1.12
B2p4: length 7.4
  Top w0.15: UB2.4 196.15,387.41 195.72,387.14 195.18,386.03 194.52,385.38 193.87,385.1 193.01,384.79 R70.1
B2p5: length 11.3
  Top w0.15: UB2.5 198.78,387.14 199.1,386.71 199.64,385.94 200.69,384.54 201.2,384.18 202.18,383.34 202.24,383.34 202.24,383.13 C13.1 R70.2
B2p10: length 8.7
  Top w0.15: UB2.10 198.69,397.39 199.28,397.96 200.09,398.62 200.7,398.89 201.5,399.14 201.5,399.14 R91.2 204.15,398.94 C30.1
B2p11: length 8.1
  Top w0.15: R91.1 191.99,399.28 192.96,399.28 193.73,399.25 194.61,398.62 196.15,397.45 UB2.11
B2p13: length 50.7
  Top w0.15: UD2.13 191.07,363.04 190.95,363.39 190.97,363.8 190.72,364.52 190.31,365.7 190.24,366.29 189.88,369.28 189.79,369.37 189.79,372.83 189.81,372.86 189.88,379.17 189.36,382.25 189.25,383.75 189.38,384.92 189.5,386.17 189.84,387.59 189.88,390.31 190.81,391.51 192.3,392.46 ; 192.78,391.31 193.44,391.51 193.93,391.67 196.36,392.48 198.92,393.1 200.59,394.32 201.04,395.9 UB2.9 ; 192.78,391.31 192.89,390.9 193.23,389.97 UB2.3 ; 192.78,391.31 192.39,392.3 192.3,392.46 ; 192.3,392.46 192.12,392.73 191.81,393.87 191.53,394.73 UB2.13
